# Altium PCB 2m_DBoard_TX.PcbDoc (part 2 of 2)
Units mm, origin at the board's own origin, x right, y up, seen from the top; angles counter-clockwise.
Board outline 63.5 x 139.7 mm, 9 copper layers (Top RF, AGND, AVDD, DVDD, GND 2, Signal 1, Mid-Layer 4, GND 1, Bottom Layer), stack 1.9 mm thick; 289 components, 256 nets, 1461 pads, 221 vias.
Unrouted connection lines stored in the file: 904.
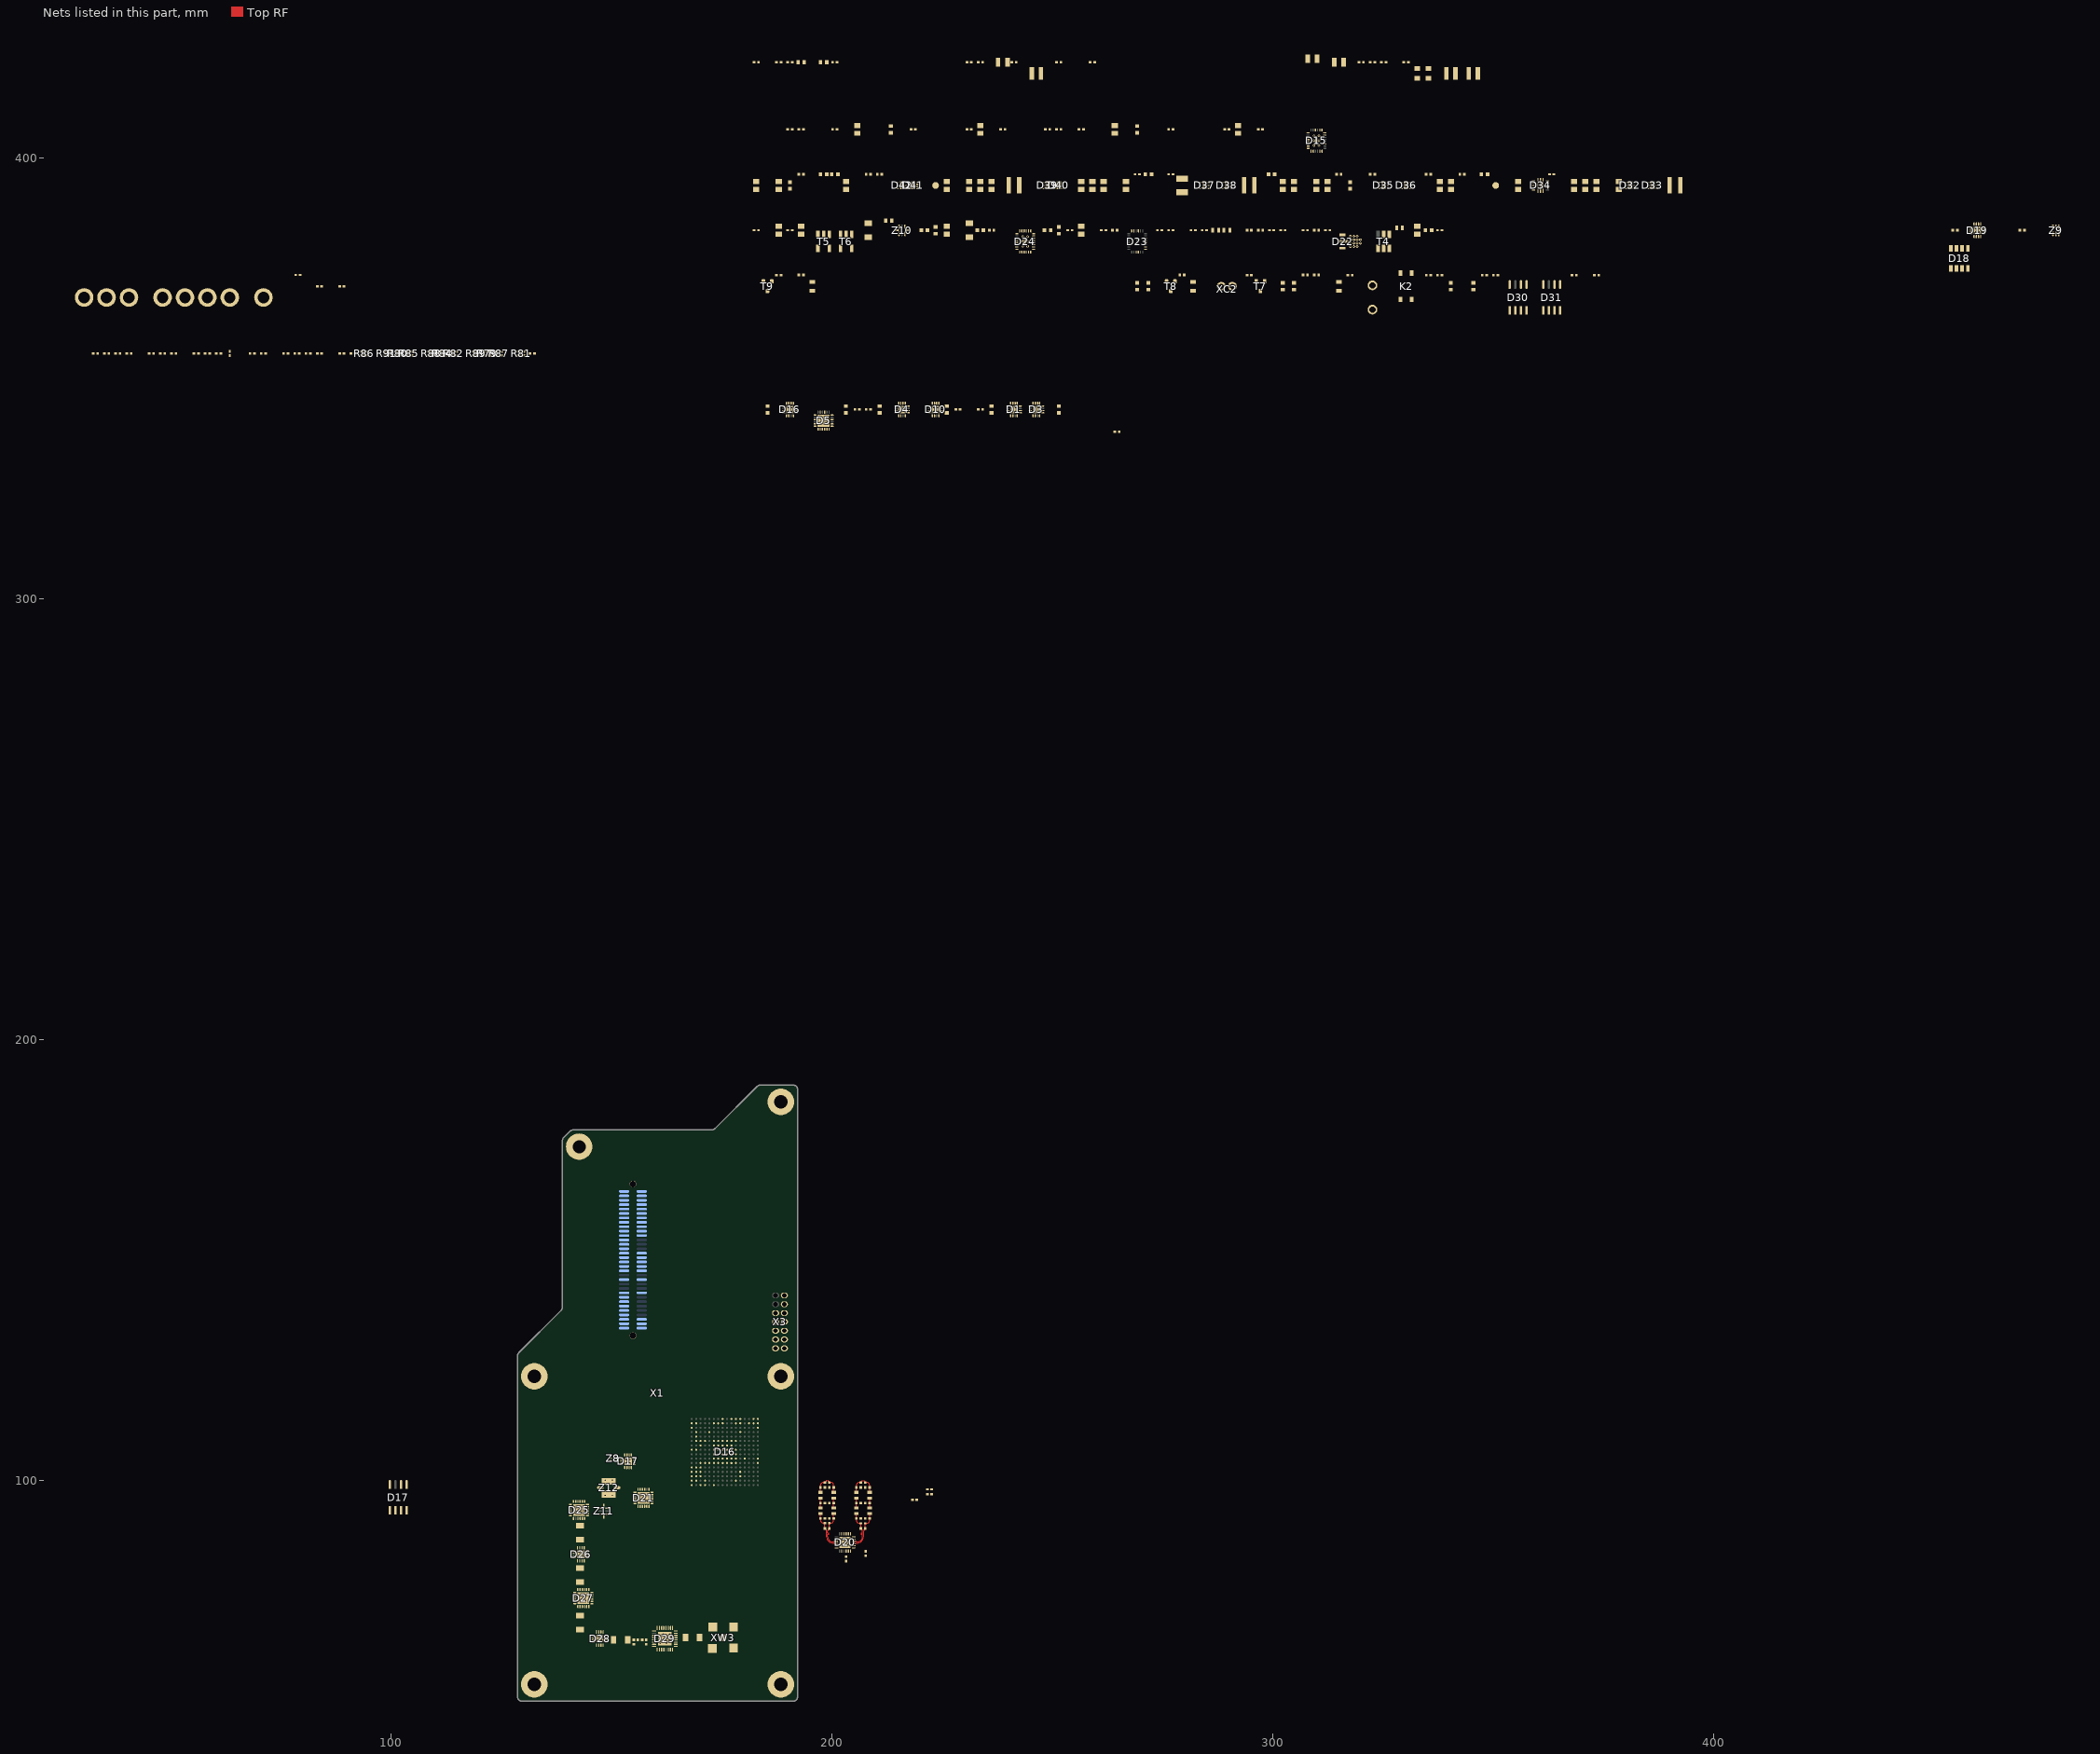
[diagram p8: the nets of this part, all layers, seen from the top]

## Part data
C9 C97 C100 C117 C118 C123 C124 C130 C132 C136 C138 C140 C152 C154 C156 C165 C166 C167 C168 C169 C170 C171 C172 C173 C174 C175 C176 C177 C206 C? C?: "SMD Capacitor", Manufacturer=Murata, Tolerance=10%, Voltage=25V, Type="Ceramic Capacitor"
  C9 C97 C100 C117 C118 C123 C124 C130 C132 C136 C138 C140 C152 C154 C156 C165 C166 C167 C168 C169 C170 C171 C172 C173 C174 C175 C176 C177 C? C?: Material=X7R, P/N=GRM155R71E103KA01D
  C206: Material=X5R, P/N=GRM188R61E225KA12D
C75 C76 C80 C83 C85 C86 C90 C98 C103 C105 C108 C112: "SMD Capacitor", Manufacturer=Murata, Tolerance=1%, Voltage=50V, Material=NP0, Type="Ceramic Capacitor"
  C75 C83 C85 C103 C105: P/N=GRM1555C1H101FA01D
  C76 C80 C86 C90: P/N=GRM1555C1H220FA01D
  C98: P/N=GRM1555C1H100FA01D
  C108 C112: P/N=GRM1885C1H222FA01D
C77 C78 C81 C87 C88 C91: "SMD Capacitor", Manufacturer=Murata, Tolerance=±0.25pF, Voltage=50V, Material=NP0, Type="Ceramic Capacitor"
  C77 C81 C87 C91: P/N=GRM1555C1H3R0CA01D
  C78 C88: P/N=GRM1555C1H3R6CA01D
C79 C89: "SMD Capacitor", Manufacturer=Murata, Tolerance=±0.5pF, Voltage=50V, Material=NP0, P/N=GRM1555C1H6R0DA01D, Type="Ceramic Capacitor"
C82 C84 C92 C104 C106 C109 C110 C113 C114 C115 C116 C137 C142 C144 C147 C148 C153 C158 C160 C163 C164 C178 C179 C180 C181 C187 C188 C189 C190 C192 C193 C194 C195 C198 C199 C200 C201 C202 C203 C204 C207: "SMD Capacitor", Manufacturer=Murata, Tolerance=10%, Voltage=10V, Material=X7R, Type="Ceramic Capacitor"
  C82 C84 C113 C115 C144 C147 C148 C160 C163 C164 C198: P/N=GRM155R71A104KA01J
  C92 C104 C109 C114 C116 C137 C142 C153 C158 C178 C179 C180 C181 C187 C188 C189 C190 C192 C193 C194 C195 C200 C201 C202 C203 C204 C207: P/N=GRM21BR71A105KA01K
  C106 C110: P/N=GRM188R71A225KE15J
  C199: P/N=GRM32ER71A476KE15L
C93: "SMD Capacitor", Manufacturer=Murata, Tolerance=±2%, Voltage=50V, Material=NP0, P/N=GRM1885C1H122GA01D, Type="Ceramic Capacitor"
C94: "SMD Capacitor", Manufacturer=Murata, Tolerance=±1%, Voltage=50V, Material=NP0, P/N=GRM1555C1H680FA01D, Type="Ceramic Capacitor"
C95 C96 C101 C102 C119 C120 C121 C122 C125 C126 C127 C131: "SMD Capacitor", Manufacturer=Murata, Tolerance=5%, Voltage=50V, Material=NP0, Type="Ceramic Capacitor"
  C95 C96 C101 C102 C125 C127 C131: P/N=GRM1555C1H102JA01D
  C119 C120 C121 C122 C126: P/N=GRM31C5C1H104JA01K
C99 C210 C211 C212: "SMD Capacitor", Manufacturer=Murata, Tolerance=±0.05pF, Voltage=50V, Material=NP0, Type="Ceramic Capacitor"
  C99: P/N=GRM1555C1HR30WA01D
  C210 C211 C212: P/N=GRM1555C1H1R5WA01D
C107 C111 C191: "SMD Capacitor", Manufacturer=Murata, Tolerance=±5%, Voltage=50V, Material=NP0, Type="Ceramic Capacitor"
  C107 C111: P/N=GRM3195C1H273JA01D
  C191: P/N=GRM1885C1H222JA01D
C128 C129 C184 C200 C204 C205 C208 C210 C212 C214 C216 C217 C218 C219: "SMD Capacitor", Manufacturer=Murata, Tolerance=10%, Voltage=16V, Type="Ceramic Capacitor"
  C128 C129 C184 C205: Material=X5R, P/N=GRM188R61C475KAAJD
  C200 C204 C208 C210 C212 C214 C216 C217 C218 C219: Material=X7R, P/N=GRM155R71C104KA88J
C182 C185 C196 C208: "SMD Capacitor", Manufacturer=Murata, Tolerance=±10%, Voltage=16V, Material=X5R, Type="Ceramic Capacitor"
  C182 C196: P/N=GRM155R61C104KA88D
  C185 C208: P/N=GRM21BR61C106KE15K
C183 C186: "SMD Capacitor", Manufacturer=Murata, Tolerance=±20%, Voltage=16V, Material=X5R, P/N=GRM21BR61C226ME44L, Type="Ceramic Capacitor"
C197: "SMD Capacitor", Manufacturer=Murata, Tolerance=10%, Voltage=50V, Material=X7R, P/N=GRM188R71H221KA01D, Type="Ceramic Capacitor"
C201 C202 C203 C205 C206 C207 C209 C211 C213 C215: "SMD Capacitor", Manufacturer=Murata, Tolerance=10%, Voltage=6.3V, Material=X7R, P/N=GRM155R70J105KA12J, Type="Ceramic Capacitor"
D1 D3 D4 D10 D16 D17 D19: "HaRPTM technology-enhanced absorptive SPDT", Manufacturer="Peregrine Technical Solutions", Package="16-lead 3 × 3 mm QFN", Supplier Part Number 1=1046-1137-1-ND, Name=PE42553, P/N=PE42553A-Z, Supplier 1=Digi-Key, Type="SPDT RF Switch"
D5 D21 D25: "The PE42582 is a HaRP™ technology-enhanced absorptive SP6T RF switch", Manufacturer="Peregrine Technical Solutions", Package="24-lead 4 × 4 × 0.85 mm QFN", Name=PE42562, P/N=PE42562A-X, Type="Absorptive SP6T RF switch"
D15 D23 D24: "The LTC®6946 is a high performance, low noise, 6.39GHz  phase-locked loop (PLL)", Frequency Range="0.700 to 6.390 GHz", Manufacturer="Linear Technology", Package="28-QFN (4x5)", Supplier Part Number 1=LTC6946IUFD-4#PBF-ND, Temperature Range="-40°C ~ 105°C", Voltage="3.15 V ~ 5.25 V", Name=LTC6946-4, P/N=LTC6946IUFD-4#PBF, Supplier 1=Digi-Key, Type="Clock/Frequency Synthesizer (RF/IF), Integer N"
D16: "CoolRunner-II 1.8V, 256 Macrocell CPLD, 184 User I/Os, 256-Ball FTBGA, Commercial Grade, Pb-Free", Code_JEDEC=MS-034-AAF-1*, DatasheetVersion="ver3.2, Mar-2007", Name=XC2C256-7FTG256C, P/N=XC2C256-7FTG256C, PackageDescription="256-Ball Fine Pitch Thin Ball Grid Array 1.00 mm Pitch (FTG256) - Pb-Free", PackageReference=FTG256, PackageVersion="ver1.3, Oct-2007", PartNumber=XC2C256-7FTG256C, Type=CPLD
D17 D30 D31: "I2C EEPROM", Capacity=2kbit, Manufacturer=Microchip, Package=SOIC-8, Voltage=2.5-5.5V, Max Clock="400 kHz", Name=24LC024, Type="I2C EEPROM"
  D17: P/N=24LC024HT-I/SN
D18: "Frequency Mixer", Manufacturer=Mini-Circuits, Package=HV1195, Power Level=+13dBm, Name=SIM-43MH+, P/N=SIM-43MH+, Type="Frequency Mixer"
D20: "Broadband Quadrature Modulator", Manufacturer="Analog Devices", Package="24-lead LFCSP_VQ package", Supplier Part Number 1=ADL5375-05ACPZ-R7CT-ND, Temperature Range="–40°C to 125°C", Voltage="4.75 V to 5.25 V", Name=ADL5375-05, P/N=ADL5375-05SCPZEPR7, Supplier 1=Digi-Key, Type="Broadband Quadrature Modulator"
D22: "RF/IF Gain Block", Manufacturer="Analog Devices", Package=SOT89, Supplier Part Number 1=ADL5610ARKZ-R7CT-ND, Name=ADL5610, P/N=ADL5610ARKZ-R7, Supplier 1=Digi-Key, Type="RF/IF Gain Block"
D26 D28: "InGaP HBT GAIN BLOCK", Manufacturer="Analog Devices", Package="16 Lead 3x3mm SMT", Name=HMC311LP3, P/N=HMC311LP3E, Type="GAIN BLOCK"
D27: "The PE43711 is a 50Ω, HaRP™ technology-enhanced, 7-bit RF digital step attenuator", Manufacturer="Peregrine Technical Solutions", Package="24-lead 4 × 4 × 0.85 mm QFN", Supplier Part Number 1=1046-1138-1-ND, Name=PE43711, P/N=PE43711A-Z, Supplier 1=Digi-Key, Type="7-bit RF digital step attenuator (DSA)"
D29: "1 W Power Amplifier", Manufacturer="Analog Devices", Package="32-lead, 5 mm × 5 mm LFCSP", Temperature Range="-40°C ~ 105°C", Voltage="12 V at 345 mA typical", Name=HMC637BPM5E, P/N=HMC637BPM5E, Type="Power Amplifier"
D32 D33 D37 D38 D39 D40 D42: "LP5912 500-mA Low-Noise, Low-IQ LDO", Current=500mA, Manufacturer="Texas Instruments", Package=WSON, Supplier Part Number 1=296-44153-2-ND, Temperature Range="–40°C to 125°C", Voltage=5.0V, Name=LP5912-5.0DRVT, P/N=LP5912-5.0DRVT, Supplier 1=Digi-Key, Type="Low-Noise LDO"
D34: "10-A Fully-Integrated Synchronous Boost with Load Disconnect Control", Current="10 A", Manufacturer="Texas Instruments", Package="13-VQFN-HR (3.5x3.0)", Supplier Part Number 1=296-46568-1-ND, Temperature Range="–40°C to 125°C", Voltage="4.5 V to 20 V", Name=TPS611781, P/N=TPS611781RNW, Supplier 1=Digi-Key, Type="Synchronous Boost"
D35 D36: "LP5912 500-mA Low-Noise, Low-IQ LDO", Current=500mA, Manufacturer="Texas Instruments", Package=WSON, Supplier Part Number 1=296-44153-2-ND, Temperature Range="–40°C to 125°C", Voltage=3.3V, Name=LP5912-3.3DRVT, P/N=LP5912-3.3DRVT, Supplier 1=Digi-Key, Type="Low-Noise LDO"
D41: "Low-Noise, Regulated, Switched-Capacitor Voltage Inverter", Current="250 mA", Manufacturer="Texas Instruments", Package=WSON, Temperature Range="–40°C to 125°C", Voltage="2.7 V to 5.5", Name=LM27761, P/N=LM27761DSGT, Type="Voltage Inverter"
H1 H2: library part LED, "CHIP LED LAMP", Color=Green, Manufacturer=Kingbright, Package="2.0 x 1.25 mm SMD", Supplier Part Number 1=754-1094-1-ND, Name=APHCM2012, P/N=APHCM2012CGCK-F01, Supplier 1=Digi-Key, Type="CHIP LED LAMP"
H3: library part LED, "CHIP LED LAMP", Color=Orange, Manufacturer=Kingbright, Package="2.0 x 1.25 mm SMD", Name=APHCM2012, P/N=APHCM2012SECK-F01, Type="CHIP LED LAMP"
K2: "MOS FET Relay", Channel Resistance="700 mOhm", Current=1A, Manufacturer=Omron, Package=SOT-23F, Supplier Part Number 1=Z4069CT-ND, Voltage=60V, Name=G3VM-61GR1, P/N=G3VM-61GR1, Supplier 1=Digi-Key
K3 K4: library part "Test  Point"
L23 L24 L25 L26 L27 L28 L29 L30: "Chip SMD Inductor", Current=680mA, Frequency=2.70GHz, Manufacturer=Coilcraft, Temperature Range=-25…85°C, Tolerance=2%, Name=0603HP-33NXGE, P/N=0603HP-33NXGE, Series=0603HP
L31: "Chip SMD Inductor", Current=810mA, Frequency=2.45GHz, Manufacturer=Coilcraft, Temperature Range=-25…85°C, Tolerance=5%, Name=0603HP-43NXJE, P/N=0603HP-43NXJE, Series=0603HP
L32 L33: "Chip SMD Inductor", Current=600mA, Frequency=2.00GHz, Manufacturer=Coilcraft, Temperature Range=-25…85°C, Tolerance=5%, Name=0603HP-68NXJE, P/N=0603HP-68NXJE, Series=0603HP
L35 L36 L42: "Chip SMD Inductor", Current=0.61A, Frequency=39.9MHz, Manufacturer=Coilcraft, Temperature Range=-25…85°C, Tolerance=±5%, Name=XFL3012-682ME, P/N=XFL3012-682ME, Series=XFL3012
L37: "Magnetic-Core Inductor", Current=5A, Manufacturer=Coilcraft, Temperature Range="-40ºC to 125ºC", Tolerance=±30%, Name=XEL4030-472MEB
L38 L39: "Magnetic-Core Inductor", Current=5.9A, Manufacturer=Coilcraft, Temperature Range="-40ºC to 125ºC", Tolerance=±30%, Name=XEL4020-222MEB
L40 L41 L43: "Chip SMD Inductor", Current=1.5A, Frequency=7200MHz, Manufacturer=Coilcraft, Temperature Range=-25…85°C, Tolerance=5%, Name=0805HP-6N2XJR, P/N=0805HP-6N2XJR, Series=0805HP
M1 M2 M3 M4 M5 M6 M7 M8: library part "Mechanical Via", "Mechanical Via"
R31 R32 R33 R35 R36 R38 R42 R44 R77: "SMD Resistor", Manufacturer="Panasonic Electronic Components", Power="0.063 Wt", Temperature Range=-55…155°C, Tolerance=0.5%, Name="Chip SMD Resistor"
  R31 R32 R33 R35 R36 R38 R42 R44: P/N=ERJ-2RKD49R9X
  R77: P/N=ERJ-2RHD1501X
R34 R37 R75: "SMD Resistor", Manufacturer="Panasonic Electronic Components", Power="0.1 Wt", Temperature Range=-55…155°C, Tolerance=1%, Name="Chip SMD Resistor"
  R34 R37: P/N=ERJ-2RKF1400X
  R75: P/N=ERJ-3EKF2372V
R39 R48: "SMD Resistor", Manufacturer="Panasonic Electronic Components", Power="0.063 Wt", Temperature Range=-55…155°C, Tolerance=±1%, Name="Chip SMD Resistor", P/N=ERJ-2RKF11R8X
R40 R41 R49 R50 R78 R80: "SMD Resistor", Manufacturer="Panasonic Electronic Components", Power="0.1 Wt", Temperature Range=-55…155°C, Tolerance=±1%, Name="Chip SMD Resistor"
  R40 R41 R49 R50: P/N=ERJ-2RKF4320X
  R78: P/N=ERJ-2RKF8873X
  R80: P/N=ERJ-2RKF4993X
R43 R45: "SMD Resistor", Manufacturer="Panasonic Electronic Components", Power="0.2 Wt", Temperature Range=-55…155°C, Tolerance=0.5%, Name="Chip SMD Resistor", P/N=ERJ-PB3D3320V
R46 R47: "SMD Resistor", Manufacturer="Panasonic Electronic Components", Power="0.125 Wt", Temperature Range=-55…155°C, Tolerance=1%, Name="Chip SMD Resistor", P/N=ERJ-6ENF18R7V
R51 R65 R68 R71: "SMD Resistor", Power="0.062 Wt", Temperature Range=-55…155°C, Tolerance=5%, Name="Chip SMD Resistor"
  R51: P/N=ERJ-2GEJ102X
  R65 R68 R71: P/N=ERJ-2GEJ680X
R53 R55 R56 R57 R58 R59 R60 R61 R62 R63 R66 R67 R69 R70 R79: "SMD Resistor", Power="0.1 Wt", Temperature Range=-55…155°C, Tolerance=1%, Name="Chip SMD Resistor"
  R53 R55: P/N=ERJ-3EKF15R0V
  R56 R57 R58 R59 R60 R61 R62 R63 R66 R67 R69 R70 R79: P/N=ERJ-2GE0R00X
R64 R72 R73 R74 R76: "SMD Resistor", Manufacturer="Panasonic Electronic Components", Power="0.063 Wt", Temperature Range=-55…155°C, Tolerance=1%, Name="Chip SMD Resistor"
  R64: P/N=ERJ-2RKF1800X
  R72: P/N=ERJ-2RKF7323X
  R73: P/N=ERJ-2RKF7152X
  R74: P/N=ERJ-2RKF6813X
  R76: P/N=ERJ-2RKF8062X
R79 R80 R81 R82 R84 R85 R86 R87 R88 R89 R91: "Chip Resistor Array", Manufacturer=Panasonic, Number of Resistors=4, Tolerance=5%, Name=EXBN8V, Number of Terminals=8, P/N=ERJ-2GEJ330X, Series=EXB, Type="0402 Array Concave Terminal"
R90: "SMD Resistor", Manufacturer="Panasonic Electronic Components", Power="0.2 Wt", Temperature Range=-55…155°C, Name="Chip SMD Resistor", P/N=ERJ-2RKF28R7X
T4: "RF Transformer", Frequency="20 to 4000 MHz", Manufacturer=Mini-Circuits, Package=DB1627, Name=TCM2-452X-2+, P/N=TCM2-452X-2+, Ratio=1:2, Type="RF Transformer"
T5 T6: "RF Transformer", Frequency="3 to 300 MHz", Manufacturer=Mini-Circuits, Package=AT1521, Name=TC2-1TX+, P/N=TC2-1TX+, Ratio=1:2, Type="RF Transformer"
T7 T8 T9: "N-Channel MOSFET 2N7002", Channel Resistance=5Ohm, Current=300mA, Package=SOT-23, Power Dissipation=0.83W, Voltage=60V, Name=2N7002, Type=SOT-23
X1: "USRP DBoard", Manufacturer=Molex, Supplier Part Number 1=WM17201-ND, Name="1.00mm Pitch Mezzanine 714390164", P/N=714390164, Supplier 1=Digi-Key
X3: library part "HDR Debug_14-pin", "2.00mm Pitch, Milli-Grid PCB Header, Dual Row, Vertical, Through Hole, Shrouded, 14 / Circuits", Manufacturer=Molex, Name="Milli-Grid Connector System", P/N=878311421, Series=87831, Type="2.00mm Pitch, Milli-Grid PCB Header, Dual Row, Vertical, Through Hole, Shrouded, 14"
XC1: "4.20mm Pitch, Dual Row, 2 Circuits, without Snap-in Plastic Peg PCB Lock", Manufacturer=Molex, Mate With P/N=39-01-2020, Mate With Series=5557, Name="Mini-Fit Jr. Vertical Header", P/N=39-28-1023, Series=5566, Type="Mini-Fit Jr. Vertical Header, 4.20mm Pitch, Dual Row, 2 Circuits, without Snap-in Plastic Peg PCB Lock"
XC2: library part "Nano-Fit Power Connector", "Through Hole, 2.50mm Pitch, Single Row, 2 Circuits", Manufacturer=Molex, Mate With P/N=105307-1202, Mate With Series=105307, Name="Nano-Fit Vertical Header", P/N=105309-1202, Series=105309, Type="Vertical Header, Through Hole, 2.50mm Pitch"
XW3: library part "RF Connector", "50 Ohms, SMA Jack, Vertica", Manufacturer=Molex, Supplier Part Number 1=WM9458-ND, Impedance=50Ω, Name="SMA Jack", P/N=0732511352, Supplier 1=Digi-Key, Type="50 Ohms, SMA Jack, Vertical, PCB SMT, Gold (Au) Body"
Z8: "Diplexer", Frequency="DC to 6000 MHz", Manufacturer=Mini-Circuits, Package=JC0603C, High Pass="2400-6000 MHz", Low Pass="DC-1650 MHz", Name=LDPW-162-242+, P/N=LDPW-162-242+, Type=Diplexer
Z9: "Diplexer", Frequency="DC to 5000 MHz", Manufacturer=Mini-Circuits, Package=GE0805C-10, High Pass="2600 - 5000 MHz", Low Pass="DC - 2100 MHz", Name=LDPG-212-322+, P/N=LDPG-212-322+, Type=Diplexer
Z10 Z11: "Low Pass Filter", Frequency="DC to 990 MHz", Manufacturer=Mini-Circuits, Package=GE0805C-2, Name=LFCG-92+, P/N=LFCG-92+, Type="Low Pass Filter"
Z12: "Bandpass Filter", Frequency="3130 to 5040 MHz", Manufacturer=Mini-Circuits, Package=JV1210C, Name=BFCV-4085+, P/N=BFCV-4085+, Type="Bandpass Filter"

## Via types
v1: diameter 0.6, hole 0.3, Top RF to Bottom Layer, tented both sides, 191 vias
v2: diameter 0.4, hole 0.2, Top RF to Bottom Layer, tented both sides, 26 vias
v3: diameter 0.5, hole 0.2, Top RF to Bottom Layer, tented both sides, 4 vias

## Nets (pads, with @x,y where several pads share a name; then routed paths per layer and width w, separated by ;. In a path a pad name is that pad's centre, name@x,y a point inside that pad or via, vN(x,y) a via of type N, cw(c..) or ccw(c..) an arc to the next point about the centre after c; other vN are vias at no path point)
3V3: C200.2@89.4,355.6 C201.2@84.32,355.6 C202.2@79.24,355.6 C203.2@71.62,355.6 C204.2@63.5,356.1 C205.2@58.92,355.6 C206.2@56.38,355.6 C207.2@51.3,355.6 C208.2@48.76,355.6 C209.2 C210.2@41.14,355.6 C211.2@38.6,355.6 C212.2@36.06,355.6 C213.2 C214.2 C215.1 C216.1 C217.1 C218.1 C219.1 D16.D5 D16.D12 D16.F4 D16.F7 D16.F8 D16.F9 D16.F10 D16.G6 D16.H6 D16.H11 D16.J6 D16.J11 D16.K6 D16.K11 D16.K13 D16.L7 D16.L8 D16.L9 D16.L10 D16.P3 X3.2
3V3_CVDD_RX: C140.1 C147.2 C148.2 C156.1 C163.2 C164.2 C188.1 D15.1 D15.13 D15.26 D24.1 D24.13 D24.26 D35.1
3V3_CVDD_TX: C97.2 C98.2 C100.2 C101.1 C190.1 D36.1 L32.2 L33.2 T4.5
3V3_DVDD_RX: C9.2 C144.2 C160.2 C165.1 C166.1 C167.1 C168.1 C169.1 C170.1 C171.2 C173.1 C174.1 C176.1 C177.1 D1.16 D3.16 D4.16 D5.8 D10.16 D15.8 D15.9 D16.16 D17.3@102.335,93.279 D17.8@99.795,99.121 D17.16 D19.16 D21.8 D24.8 D25.8 D30.3 D30.8 H1.2 H2.2 X1.8 X1.10
3V3_DVDD_TX: C123.2 C172.2 D27.2 D31.3 D31.8 H3.2 R51.1
5V_AVDD_RX: C193.1 D37.1
5V_AVDD_TX: C117.2 C118.2 C195.1 D38.1 L35.1 L36.1
5V_CVDD_RX: C136.2 C152.2 C201.1@231.14,392.811 D15.22 D24.22 D39.1 R53.2 R55.2
5V_CVDD_TX: C92.1 C93.2 C94.2 C203.1@236.22,392.811 D40.1 L31.2
5V_DEMOD_RX: C179.1 D32.1
5V_QMOD_TX: C82.2 C83.2 C84.2 C85.2 C181.1 D20.18 D20.24 D33.1
6V: X1.4 X1.6
6V_RX: C178.1 C187.1 C192.1 C200.1@226.06,392.811 C204.1@203.2,392.811 D32.4 D32.6 D35.4 D35.6 D37.4 D37.6 D39.4 D39.6 D42.4 D42.6
6V_TX: C180.1 C183.1 C189.1 C194.1 C202.1@233.68,392.811 D33.4 D33.6 D34.12 D36.4 D36.6 D38.4 D38.6 D40.4 D40.6 L37.1
12V_AVDD_TX: C124.2 C125.2 C197.2 C198.2 C199.2 L38.2 L42.1
12V_TX: C185.2 C186.2 C196.2 D34.8 K3.1 L38.1 R72.2
-3V4_DVSS_RX: C206.1@199.96,396.24 D41.4 K4.1 R57.1 R59.1 R61.1 R63.1 R67.1 R70.1 R78.2
_IOUTA_QMOD_N: C89.2 C91.2 D20.22 L30.2 R37.2 | length 9.1
  Top RF w0.115: D20.22@204.95,86.25 205.45,86.25 cw(c205.45,86.19) 205.51,86.19 ccw(c205.57,86.19) 205.57,86.13 205.785,86.13 ccw(c205.785,87.29) 206.945,87.29 206.945,87.423 206.945,87.716 ccw(c206.828,87.716) 206.828,87.833 206.758,87.833 cw(c206.758,87.951) 206.758,88.068 206.828,88.068 ccw(c206.828,88.186) 206.945,88.186 206.945,88.436 206.945,88.63 ccw(c206.575,88.63) R37.2@206.575,89
  Top RF w0.17: L30.2@205.575,92.538 C91.2@205.575,91.431 205.575,91.05 ccw(c206.309,91.05) 206.309,90.316 C89.2@206.575,90.316 206.575,89.2 R37.2@206.567,89.2
_IOUTA_QMOD_P: C87.1 C89.1 D20.21 L28.2 R37.1 | length 9.1
  Top RF w0.115: D20.21@204.95,85.75 205.45,85.75 ccw(c205.45,85.81) 205.51,85.81 cw(c205.57,85.81) 205.57,85.87 205.785,85.87 ccw(c205.785,87.29) 207.205,87.29 207.205,88.63 cw(c207.575,88.63) R37.1@207.575,89
  Top RF w0.17: R37.1@207.583,89.2 207.575,89.2 C89.1@207.575,90.316 207.841,90.316 ccw(c207.841,91.05) 208.575,91.05 C87.1@208.575,91.431 L28.2@208.575,92.538
_IOUTB_QMOD_N: C79.2 C81.2 D20.9 L26.2 R34.2 | length 9.3
  Top RF w0.115: R34.2@199.425,89 ccw(c199.425,88.63) 199.055,88.63 199.055,88.436 199.055,88.186 ccw(c199.173,88.186) 199.173,88.068 199.242,88.068 cw(c199.242,87.951) 199.242,87.833 199.173,87.833 ccw(c199.173,87.716) 199.055,87.716 199.055,87.423 199.055,87.29 ccw(c200.215,87.29) 200.215,86.13 200.43,86.13 ccw(c200.43,86.19) 200.49,86.19 cw(c200.55,86.19) 200.55,86.25 D20.9@201.05,86.25
  Top RF w0.17: R34.2@199.425,89 R34.2@199.425,89.2 ; R34.2@199.433,89.2 R34.2@199.425,89.2 ; L26.2@200.425,92.55 C81.2@200.425,91.45 200.425,91.075 cw(c199.7,91.075) 199.7,90.35 C79.2@199.425,90.35 R34.2@199.425,89.2
_IOUTB_QMOD_P: C77.1 C79.1 D20.10 L24.2 R34.1 | length 9.3
  Top RF w0.115: R34.1@198.425,89 cw(c198.425,88.63) 198.795,88.63 198.795,87.29 ccw(c200.215,87.29) 200.215,85.87 200.43,85.87 cw(c200.43,85.81) 200.49,85.81 ccw(c200.55,85.81) 200.55,85.75 D20.10@201.05,85.75
  Top RF w0.17: L24.2@197.425,92.55 C77.1@197.425,91.45 197.425,91.075 ccw(c198.15,91.075) 198.15,90.35 C79.1@198.425,90.35 R34.1@198.425,89.2 ; R34.1@198.417,89.2 R34.1@198.425,89.2 ; R34.1@198.425,89 R34.1@198.425,89.2
_LO1_TX_N: D24.11 T4.6
_LO1_TX_P: D24.12 T4.4
AGND: C136.1 C137.1 C138.1 C140.2 C142.2 C147.1 C148.1 C152.1 C153.1 C154.1 C156.2 C158.2 C163.1 C164.1 D15.10 D15.17 D15.21 D15.23 D15.29 D24.10 D24.17 D24.21 D24.23 D24.29 L39.2 XC2.2
  other v1: 243.29,379.9 244.39,379.9 243.29,381 244.39,381 243.29,382.1 244.39,382.1 309.33,402.76 310.43,402.76 309.33,403.86 310.43,403.86 309.33,404.96 310.43,404.96
ATT1_RX_C1: D16.C16
ATT1_RX_C2: D16.B16
ATT2_MOSI_RX: R91.5
ATT2_RX_LE: R91.7
ATT2_SCLK_RX: R91.6
ATT_TX_LE: D27.16
cpld_io_00: R90.2 X1.35
cpld_io_01: R89.6 X1.33
cpld_io_02: R89.7 X1.31
cpld_io_03: R89.8 X1.29
cpld_io_04: R87.5 X1.27
cpld_io_05: R87.6 X1.25
cpld_io_06: R87.7 X1.23
cpld_io_07: R87.8 X1.21
cpld_io_08: R84.5 X1.19
cpld_io_09: R84.6 X1.17
cpld_io_10: R84.7 X1.15
cpld_io_11: R84.8 X1.13
cpld_io_12: R82.5 X1.11
cpld_io_13: R82.6 X1.9
cpld_io_14: R82.7 X1.7
cpld_io_15: R82.8 X1.5
CS_LTC6948: R81.8
DEMOD_TEMP: C?.2@84.32,370.84 X1.62
DEMOD_VCM: X1.55
EXT_CTRL_TX: R64.2
EXT_VSS: XC2.1
GND: C9.1 C76.2 C77.2 C80.1 C81.1 C82.1 C83.1 C84.1 C85.1 C86.2 C87.2 C90.1 C91.1 C92.2 C93.1 C94.1 C97.1 C98.1 C99.1 C100.1 C101.2 C102.2 C104.2 C106.1 C107.1 C108.1 C109.2 C110.1 C111.1 C112.1 C117.1 C118.1 C123.1 C124.1 C125.1 C127.2 C128.2 C129.2 C130.1 C131.1 C132.1 C144.1 C160.1 C165.2 C166.2 C167.2 C168.2 C169.2 C170.2 C171.1 C172.1 C173.2 C174.2 C175.2 C176.2 C177.2 C178.2 C179.2 C180.2 C181.2 C183.2 C184.2 C185.1 C186.1 C187.2 C188.2 C189.2 C190.2 C191.1 C192.2 C193.2 C194.2 C195.2 C196.1 C197.1 C198.1 C199.1 C200.1@88.4,355.6 C200.2@226.06,394.589 C201.1@83.32,355.6 C201.2@231.14,394.589 C202.1@78.24,355.6 C202.2@233.68,394.589 C203.1@70.62,355.6 C203.2@236.22,394.589 C204.1@63.5,355.1 C204.2@203.2,394.589 C205.1@57.92,355.6 C205.2@198.82,396.24 C206.1@55.38,355.6 C206.2@201.36,396.24 C207.1@50.3,355.6 C208.1@47.76,355.6 C208.2@187.96,394.589 C209.1 C210.1 C211.1 C212.1 C213.1 C214.1 C215.2 C216.2 C217.2 C218.2 C219.2 C?.1 D1.1 D1.3 D1.4 D1.5 D1.6 D1.8 D1.9 D1.10 D1.12 D1.15 D1.17 D3.1 D3.3 D3.4 D3.5 D3.6 D3.8 D3.9 D3.10 D3.12 D3.13 D3.15 D3.17 D4.1 D4.3 D4.4 D4.5 D4.6 D4.8 D4.9 D4.10 D4.12 D4.15 D4.17 D5.1 D5.3 D5.5 D5.6 D5.7 D5.9 D5.12 D5.13 D5.14 D5.16 D5.18 D5.21 D5.23 D5.25 D10.1 D10.3 D10.4 D10.5 D10.6 D10.8 D10.9 D10.10 D10.12 D10.13 D10.15 D10.17 D16.1 D16.3 D16.4 D16.5 D16.6 D16.8 D16.9 D16.10 D16.12 D16.15 D16.17 D16.F6 D16.F11 D16.G7 D16.G8 D16.G9 D16.G10 D16.H7 D16.H8 D16.H9 D16.H10 D16.J7 D16.J8 D16.J9 D16.J10 D16.K7 D16.K8 D16.K9 D16.K10 D16.L6 D16.L11 D17.1@154.55,105.825 D17.3@153.55,105.825 D17.4 D17.5@152.375,105.15 D17.6@152.375,104.65 D17.8@152.375,103.65 D17.9 D17.10 D17.12 D17.15 D17.17 D18.1 D19.1 D19.3 D19.4 D19.5 D19.6 D19.8 D19.9 D19.10 D19.12 D19.15 D19.17 D20.2 D20.5 D20.8 D20.11 D20.12 D20.14 D20.17 D20.19 D20.20 D20.23 D20.25 D21.1 D21.3 D21.5 D21.6 D21.7 D21.9 D21.12 D21.13 D21.14 D21.15 D21.16 D21.17 D21.18 D21.19 D21.21 D21.23 D21.25 D22.2 D25.1 D25.3 D25.5 D25.6 D25.9 D25.12 D25.13 D25.14 D25.15 D25.16 D25.17 D25.18 D25.19 D25.21 D25.23 D25.25 D26.1 D26.2 D26.4 D26.5 D26.6 D26.7 D26.8 D26.9 D26.11 D26.12 D26.13 D26.14 D26.15 D26.16 D26.17 D27.1 D27.4 D27.6 D27.7 D27.8 D27.9 D27.10 D27.11 D27.12 D27.13 D27.15 D27.19 D27.20 D27.21 D27.22 D27.23 D27.24 D27.25 D28.1 D28.2 D28.4 D28.5 D28.6 D28.7 D28.8 D28.9 D28.11 D28.12 D28.13 D28.14 D28.15 D28.16 D28.17 D29.0 D29.1 D29.3 D29.4 D29.6 D29.7 D29.8 D29.9 D29.10 D29.11 D29.12 D29.14 D29.16 D29.17 D29.18 D29.19 D29.20 D29.22 D29.23 D29.24 D29.25 D29.26 D29.27 D29.28 D29.31 D29.32 D30.4 D31.4 D32.0 D32.2 D32.3 D32.5 D33.0 D33.2 D33.3 D33.5 D34.2 D34.6 D35.0 D35.2 D35.3 D35.5 D36.0 D36.2 D36.3 D36.5 D37.0 D37.2 D37.3 D37.5 D38.0 D38.2 D38.3 D38.5 D39.0 D39.2 D39.3 D39.5 D40.0 D40.2 D40.3 D40.5 D41.0 D41.2 D42.0 D42.2 D42.3 D42.5 K2.2 L39.1 M1.0 M2.0 M3.0 M4.0 M5.0 M6.0 M7.0 M8.0 R31.1 R32.1 R33.2 R35.1 R36.2 R38.1 R40.2 R41.2 R49.2 R50.2 R56.2 R58.2 R60.2 R62.2 R66.2 R69.2 R73.1 R74.1 R76.1 R79.1@190.5,392.938 R80.2@193.548,396.24 T5.2 T5.4 T6.2 T6.4 T7.2 T8.2 T9.2 X1.0 X1.1 X1.2 X1.3 X1.37 X1.38 X1.41 X1.42 X1.47 X1.48 X1.53 X1.57 X1.63 X1.64 X3.1 X3.3 X3.5 X3.7 X3.9 X3.11 X3.13 XW3.G Z8.1 Z8.3 Z8.5 Z9.1 Z9.3 Z9.5 Z10.GND Z11.GND Z12.GND